# Altium PCB Spektrop2_Sensor_Board_CMV4000_V1.PcbDoc (part 2 of 2)
Units mm, origin at the board's own origin, x right, y up, seen from the top; angles counter-clockwise.
Board outline 41.99 x 42.01 mm, 8 copper layers (TOP, L1-GND, L2, L3-1V8, L4-PWR, L5, L6-GND, BTM), stack 1.588 mm thick; 73 components, 88 nets, 406 pads, 294 vias.
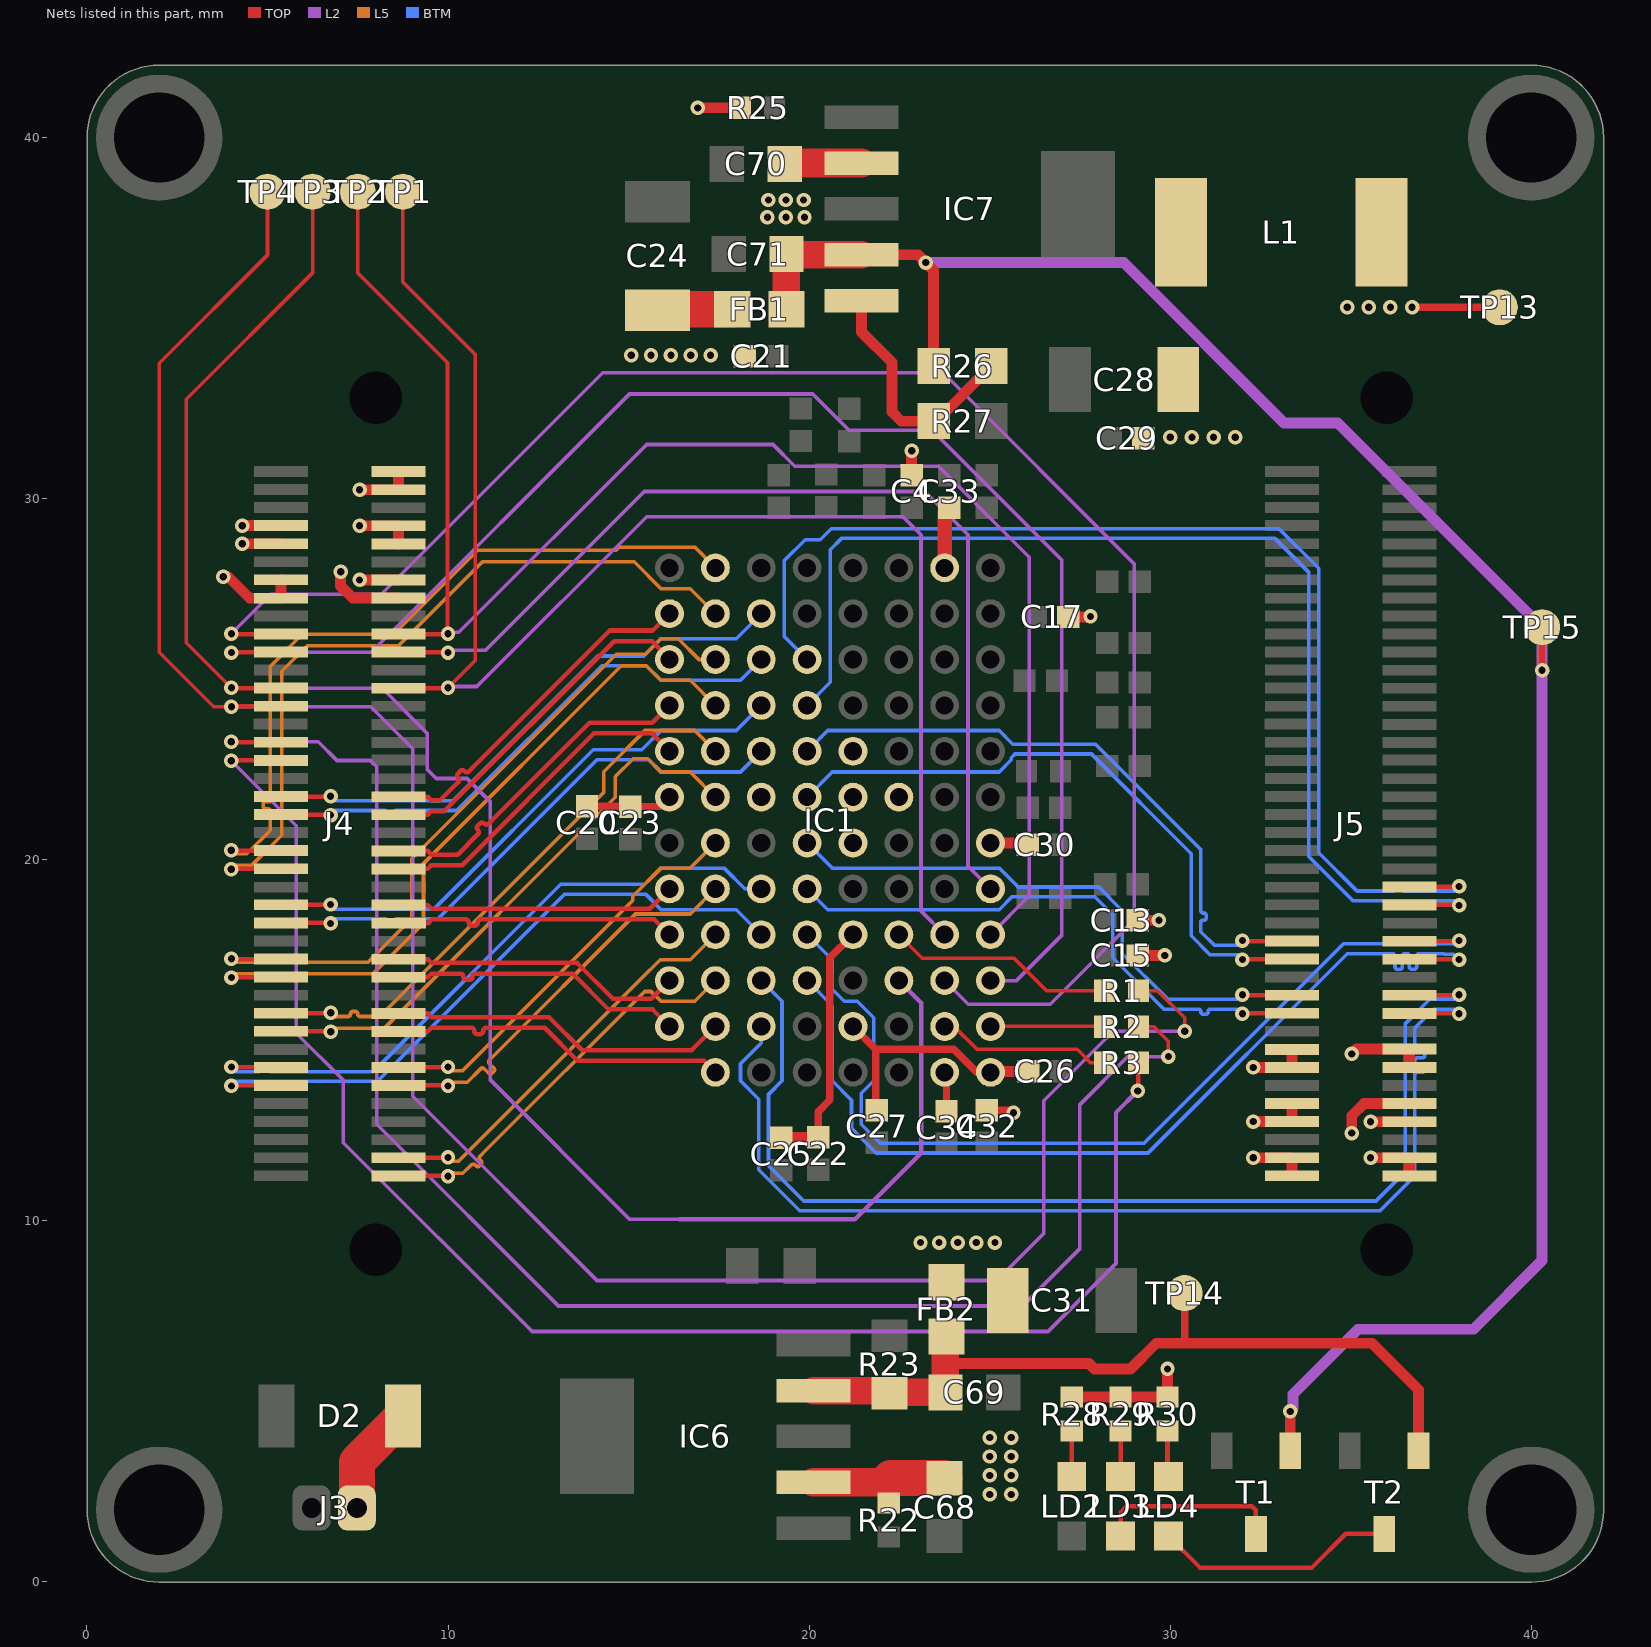
[diagram p8: the nets of this part, all layers, seen from the top]

## Via types
v1: diameter 0.4, hole 0.2, TOP to BTM, tented both sides, 294 vias

## Nets (pads, with @x,y where several pads share a name; then routed paths per layer and width w, separated by ;. In a path a pad name is that pad's centre, name@x,y a point inside that pad or via, vN(x,y) a via of type N, cw(c..) or ccw(c..) an arc to the next point about the centre after c; other vN are vias at no path point) (continued)
NetIC7_5: IC7.5 R26.1 R27.2 | length 6.9
  TOP w0.3: IC7.5@21.45,35.485 21.45,34.618 22.3,33.768 22.3,32.4 22.554,32.146 R27.2@23.447,32.146 23.522,32.146 R26.1@25.047,33.671
NetLD2_2: LD2.2 R28.1 | length 1.3
  TOP w0.125: LD2.2@27.275,2.925 R28.1@27.275,4.18
NetLD3_1: LD3.1 T1.3 | length 5.2
  TOP w0.125: LD3.1@28.625,1.275 28.625,1.925 28.8,2.1 32.259,2.1 32.375,1.984 T1.3@32.375,1.334
NetLD3_2: LD3.2 R29.1 | length 1.3
  TOP w0.125: LD3.2@28.625,2.925 LD3.2@28.625,2.925 R29.1@28.624,4.18
NetLD4_1: LD4.1 T2.3 | length 6.7
  TOP w0.125: LD4.1@29.95,1.275 30.825,0.4 33.925,0.4 34.859,1.334 T2.3@35.925,1.334
NetLD4_2: LD4.2 R30.1 | length 1.3
  TOP w0.125: R30.1@29.925,4.18 29.925,2.95 LD4.2@29.95,2.925
OUT1_N: IC1.C2 J5.61 | length 31.3
  TOP w0.125: J5.61@36.626,15.75 37.987,15.75 v1(37.999,15.737)
  BTM w0.1: IC1.C2@18.675,15.385 18.675,14.928 18.1,14.353 18.1,13.877 18.605,13.372 18.605,11.413 19.738,10.28 35.812,10.28 36.775,11.243 36.775,13.85 36.775,13.915 36.775,14.045 cw(c36.845,14.045) 36.845,14.115 36.979,14.115 ccw(c36.979,14.185) 37.049,14.185 37.049,14.245 ccw(c36.979,14.245) 36.979,14.315 36.845,14.315 cw(c36.845,14.385) 36.775,14.385 36.775,14.445 cw(c36.845,14.445) 36.845,14.515 36.979,14.515 ccw(c36.979,14.585) 37.049,14.585 37.049,14.645 ccw(c36.979,14.645) 36.979,14.715 36.845,14.715 cw(c36.845,14.785) 36.775,14.785 36.775,14.915 36.775,15.115 36.775,15.215 36.775,15.34 37.3,15.865 37.872,15.865 v1(37.999,15.737)
OUT1_P: IC1.C3 J5.59 | length 31.2
  TOP w0.125: J5.59@36.626,16.25 37.987,16.25 v1(37.999,16.262)
  BTM w0.1: IC1.C3@18.675,16.655 19.25,16.08 19.25,13.877 18.875,13.502 18.875,11.525 19.85,10.55 35.7,10.55 36.505,11.355 36.505,15.452 37.188,16.135 37.872,16.135 v1(37.999,16.262)
OUT2_N: IC1.A2 J4.57 | length 8.4
  TOP w0.125: J4.57@8.626,16.746 9.438,16.746 9.541,16.849 10.05,16.849 10.175,16.849 10.338,16.849 cw(c10.338,16.762) 10.425,16.762 ccw(c10.513,16.762) 10.513,16.674 10.588,16.674 ccw(c10.588,16.762) 10.675,16.762 cw(c10.763,16.762) 10.763,16.849 10.85,16.849 13.451,16.849 14.445,15.855 15.665,15.855 IC1.A2@16.135,15.385
OUT2_P: IC1.A3 J4.55 | length 8.2
  TOP w0.125: J4.55@8.626,17.247 9.438,17.247 9.541,17.144 13.573,17.144 14.567,16.15 15.63,16.15 IC1.A3@16.135,16.655
OUT3_N: IC1.D3 J5.55 | length 26.9
  TOP w0.125: J5.55@36.626,17.25 37.987,17.25 v1(37.999,17.237)
  BTM w0.1: IC1.D3@19.945,16.655 20.64,15.96 20.64,13.877 21.175,13.342 21.175,12.568 21.863,11.88 29.387,11.88 34.907,17.4 35.925,17.4 36.025,17.4 36.155,17.4 cw(c36.155,17.33) 36.225,17.33 36.225,17.038 ccw(c36.295,17.038) 36.295,16.968 36.355,16.968 ccw(c36.355,17.038) 36.425,17.038 36.425,17.33 cw(c36.495,17.33) 36.495,17.4 36.555,17.4 cw(c36.555,17.33) 36.625,17.33 36.625,17.038 ccw(c36.695,17.038) 36.695,16.968 36.755,16.968 ccw(c36.755,17.038) 36.825,17.038 36.825,17.33 cw(c36.895,17.33) 36.895,17.4 37.025,17.4 37.1,17.4 37.575,17.4 37.588,17.387 37.849,17.387 v1(37.999,17.237)
OUT3_P: IC1.D4 J5.53 | length 26.8
  TOP w0.125: J5.53@36.626,17.75 37.987,17.75 v1(37.999,17.762)
  BTM w0.1: IC1.D4@19.945,17.925 20.64,17.23 20.64,16.417 20.977,16.08 21.333,16.08 21.79,15.623 21.79,13.877 21.445,13.532 21.445,12.68 21.975,12.15 29.275,12.15 34.795,17.67 37.907,17.67 v1(37.999,17.762)
OUT4_N: IC1.B3 J4.79 | length 11.5
  TOP w0.125: J4.79@8.626,11.246 9.988,11.246 v1(10,11.234)
  L5 w0.1: v1(10,11.234) 10.103,11.337 10.167,11.337 10.188,11.316 10.412,11.316 10.625,11.529 10.646,11.55 cw(c10.696,11.501) 10.745,11.55 10.769,11.526 ccw(c10.819,11.576) 10.868,11.526 10.91,11.569 ccw(c10.861,11.618) 10.91,11.668 10.887,11.692 cw(c10.936,11.741) 10.887,11.791 11.036,11.939 15.45,16.354 15.623,16.354 15.897,16.08 16.83,16.08 IC1.B3@17.405,16.655
OUT4_P: IC1.B4 J4.77 | length 11.4
  TOP w0.125: J4.77@8.626,11.747 9.988,11.747 v1(10,11.759)
  L5 w0.1: v1(10,11.759) 10.103,11.657 10.3,11.657 15.332,16.688 15.874,17.23 16.71,17.23 IC1.B4@17.405,17.925
OUT5_N: IC1.A4 J4.51 | length 7.9
  TOP w0.125: J4.51@8.638,18.244 9.451,18.244 9.554,18.348 10.2,18.348 10.325,18.348 10.488,18.348 cw(c10.488,18.26) 10.575,18.26 ccw(c10.663,18.26) 10.663,18.173 10.738,18.173 ccw(c10.738,18.26) 10.825,18.26 cw(c10.913,18.26) 10.913,18.348 10.95,18.348 15.712,18.348 IC1.A4@16.135,17.925
OUT5_P: IC1.A5 J4.49 | length 7.8
  TOP w0.125: J4.49@8.626,18.746 9.438,18.746 9.542,18.643 15.582,18.643 IC1.A5@16.135,19.195
OUT6_N: IC1.C4 J4.70 | length 18.7
  TOP w0.125: v1(4.001,13.737) 4.013,13.75 J4.70@5.374,13.75
  BTM w0.1: v1(4.001,13.737) 4.128,13.865 8.047,13.865 13.232,19.05 15.467,19.05 15.897,18.62 17.98,18.62 IC1.C4@18.675,17.925
OUT6_P: IC1.C5 J4.68 | length 18.8
  TOP w0.125: v1(4.001,14.262) 4.013,14.25 J4.68@5.374,14.25
  BTM w0.1: v1(4.001,14.262) 4.128,14.135 4.725,14.135 4.755,14.135 ccw(c4.755,14.205) 4.825,14.205 cw(c4.895,14.205) 4.895,14.275 4.955,14.275 cw(c4.955,14.205) 5.025,14.205 ccw(c5.095,14.205) 5.095,14.135 5.675,14.135 7.935,14.135 13.12,19.32 15.447,19.32 15.897,19.77 17.643,19.77 18.218,19.195 IC1.C5@18.675,19.195
OUT7_N: IC1.B5 J4.69 | length 11.5
  TOP w0.125: J4.69@8.626,13.75 9.987,13.75 v1(9.999,13.737)
  L5 w0.1: v1(9.999,13.737) 10.102,13.84 10.533,13.84 10.884,14.191 10.905,14.212 cw(c10.955,14.163) 11.004,14.212 11.126,14.091 ccw(c11.175,14.14) 11.225,14.091 11.267,14.133 ccw(c11.218,14.183) 11.267,14.232 11.145,14.354 cw(c11.195,14.403) 11.145,14.453 11.159,14.466 15.193,18.5 16.71,18.5 IC1.B5@17.405,19.195
OUT7_P: IC1.B6 J4.67 | length 11.5
  TOP w0.125: J4.67@8.626,14.25 9.987,14.25 v1(9.999,14.262)
  L5 w0.1: v1(9.999,14.262) 10.102,14.16 10.4,14.16 15.115,18.875 15.115,18.988 15.897,19.77 16.71,19.77 IC1.B6@17.405,20.465
OUT8_N: IC1.D5 J5.62 | length 16
  TOP w0.125: v1(32.001,15.737) 32.013,15.75 J5.62@33.374,15.75
  BTM w0.1: IC1.D5@19.945,19.195 20.52,18.62 25.263,18.62 25.618,18.975 27.91,18.975 28.405,18.48 28.405,17.288 29.828,15.865 30.55,15.865 30.65,15.865 30.78,15.865 cw(c30.78,15.795) 30.85,15.795 30.85,15.793 ccw(c30.92,15.793) 30.92,15.723 30.98,15.723 ccw(c30.98,15.793) 31.05,15.793 31.05,15.795 cw(c31.12,15.795) 31.12,15.865 31.425,15.865 31.873,15.865 v1(32.001,15.737)
OUT8_P: IC1.D6 J5.60 | length 16
  TOP w0.125: v1(32.001,16.262) 32.013,16.25 J5.60@33.374,16.25
  BTM w0.1: IC1.D6@19.945,20.465 20.64,19.77 25.263,19.77 25.788,19.245 28.022,19.245 28.675,18.592 28.675,17.4 29.94,16.135 31.873,16.135 v1(32.001,16.262)
OUT9_N: IC1.D7 J5.56 | length 17.7
  TOP w0.125: v1(32,17.237) 32.012,17.25 J5.56@33.374,17.25
  BTM w0.1: IC1.D7@19.945,21.735 20.64,22.43 25.263,22.43 25.6,22.767 25.6,22.83 25.7,22.93 27.82,22.93 30.58,20.17 30.58,17.898 31.113,17.365 31.872,17.365 v1(32,17.237)
OUT9_P: IC1.D8 J5.54 | length 17.7
  TOP w0.125: v1(32,17.762) 32.012,17.75 J5.54@33.374,17.75
  BTM w0.1: IC1.D8@19.945,23.005 20.52,23.58 25.263,23.58 25.643,23.2 27.932,23.2 30.845,20.287 30.85,20.282 30.85,18.625 30.85,18.595 ccw(c30.92,18.595) 30.92,18.525 30.927,18.525 cw(c30.927,18.455) 30.997,18.455 30.997,18.395 cw(c30.927,18.395) 30.927,18.325 30.9,18.325 ccw(c30.9,18.275) 30.85,18.275 30.85,18.01 31.225,17.635 31.872,17.635 v1(32,17.762)
OUT10_N: IC1.B7 J4.64 | length 15.9
  TOP w0.125: J4.64@5.376,15.25 6.738,15.25 v1(6.75,15.237)
  L5 w0.1: v1(6.75,15.237) 6.853,15.34 8.242,15.34 14.633,21.73 14.633,22.305 15.126,22.799 15.528,22.799 15.897,22.43 16.71,22.43 IC1.B7@17.405,21.735
OUT10_P: IC1.B8 J4.62 | length 16.1
  TOP w0.125: J4.62@5.376,15.75 6.738,15.75 v1(6.75,15.762)
  L5 w0.1: v1(6.75,15.762) 6.853,15.66 7.2,15.66 7.23,15.66 ccw(c7.23,15.73) 7.3,15.73 cw(c7.37,15.73) 7.37,15.8 7.43,15.8 cw(c7.43,15.73) 7.5,15.73 ccw(c7.57,15.73) 7.57,15.66 7.6,15.66 8.11,15.66 14.313,21.863 14.313,22.438 15.455,23.58 16.83,23.58 IC1.B8@17.405,23.005
OUT11_N: IC1.C8 J4.52 | length 15.7
  TOP w0.125: J4.52@5.375,18.25 6.737,18.25 v1(6.749,18.238)
  BTM w0.1: v1(6.749,18.238) 6.877,18.365 8.025,18.365 8.125,18.365 8.255,18.365 cw(c8.255,18.295) 8.325,18.295 8.325,18.289 ccw(c8.395,18.289) 8.395,18.219 8.455,18.219 ccw(c8.455,18.289) 8.525,18.289 8.525,18.295 cw(c8.595,18.295) 8.595,18.365 8.75,18.365 9.722,18.365 14.132,22.775 15.552,22.775 15.897,22.43 18.1,22.43 IC1.C8@18.675,23.005
OUT11_P: IC1.C9 J4.50 | length 15.7
  TOP w0.125: J4.50@5.375,18.75 6.737,18.75 v1(6.749,18.763)
  BTM w0.1: v1(6.749,18.763) 6.877,18.635 9.61,18.635 14.02,23.045 15.362,23.045 15.897,23.58 17.98,23.58 IC1.C9@18.675,24.275
OUT12_N: IC1.A8 J4.45 | length 9.3
  TOP w0.125: J4.45@8.626,19.747 9.438,19.747 9.541,19.849 10.391,19.849 14.042,23.5 15.64,23.5 IC1.A8@16.135,23.005
OUT12_P: IC1.A9 J4.43 | length 9.5
  TOP w0.125: J4.43@8.626,20.247 9.438,20.247 9.541,20.144 10.269,20.144 10.8,20.675 10.827,20.702 ccw(c10.765,20.763) 10.827,20.825 cw(c10.888,20.887) 10.827,20.949 10.88,21.002 cw(c10.941,20.94) 11.003,21.002 ccw(c11.065,21.064) 11.127,21.002 11.212,21.087 13.92,23.795 15.655,23.795 IC1.A9@16.135,24.275
OUT13_N: IC1.B9 J4.58 | length 19.9
  TOP w0.125: v1(4.001,16.737) 4.013,16.75 J4.58@5.374,16.75
  L5 w0.1: v1(4.001,16.737) 4.103,16.84 7.917,16.84 9.32,18.242 9.32,19.9 14.795,25.375 15.492,25.375 15.897,24.97 16.71,24.97 IC1.B9@17.405,24.275
  L5 w0.125: v1(4.001,16.737) v1@4.001,16.827
OUT13_P: IC1.B10 J4.56 | length 20
  TOP w0.125: v1(4.001,17.262) 4.013,17.25 J4.56@5.374,17.25
  L5 w0.1: v1(4.001,17.262) 4.103,17.16 5.025,17.16 5.055,17.16 ccw(c5.055,17.23) 5.125,17.23 cw(c5.195,17.23) 5.195,17.3 5.255,17.3 cw(c5.255,17.23) 5.325,17.23 ccw(c5.395,17.23) 5.395,17.16 5.9,17.16 7.785,17.16 9,18.375 9,20.033 14.662,25.695 15.472,25.695 15.897,26.12 16.373,26.12 16.948,25.545 IC1.B10@17.405,25.545
  L5 w0.125: v1@4.001,17.172 v1(4.001,17.262)
OUT14_N: IC1.D9 J5.49 | length 32.3
  TOP w0.125: J5.49@36.626,18.75 37.987,18.75 v1(37.999,18.737)
  BTM w0.1: IC1.D9@19.945,24.275 20.586,24.917 20.586,28.589 20.898,28.9 32.9,28.9 33.842,27.958 33.842,20.086 35.063,18.865 37.872,18.865 v1(37.999,18.737)
OUT14_P: IC1.D10 J5.47 | length 32.4
  TOP w0.125: J5.47@36.626,19.25 37.987,19.25 v1(37.999,19.262)
  BTM w0.1: IC1.D10@19.945,25.545 19.316,26.174 19.316,28.291 19.891,28.866 20.309,28.866 20.613,29.17 33.012,29.17 34.112,28.07 34.112,20.198 35.175,19.135 36.125,19.135 36.155,19.135 ccw(c36.155,19.205) 36.225,19.205 cw(c36.295,19.205) 36.295,19.275 36.355,19.275 cw(c36.355,19.205) 36.425,19.205 ccw(c36.495,19.205) 36.495,19.135 36.95,19.135 37.872,19.135 v1(37.999,19.262)
OUT15_N: IC1.A10 J4.39 | length 9.7
  TOP w0.125: J4.39@8.626,21.247 9.438,21.247 9.54,21.349 9.897,21.349 14.603,26.055 15.65,26.055 16.135,25.57 IC1.A10@16.135,25.545
OUT15_P: IC1.A11 J4.37 | length 9.9
  TOP w0.125: J4.37@8.626,21.746 9.438,21.746 9.54,21.644 9.775,21.644 10.256,22.125 10.282,22.152 ccw(c10.221,22.213) 10.282,22.275 cw(c10.344,22.337) 10.282,22.399 10.336,22.452 cw(c10.397,22.39) 10.459,22.452 ccw(c10.521,22.514) 10.583,22.452 10.678,22.547 14.481,26.35 15.67,26.35 IC1.A11@16.135,26.815
OUT16_N: IC1.C10 J4.40 | length 15.6
  TOP w0.125: J4.40@5.375,21.25 6.737,21.25 v1(6.749,21.238)
  BTM w0.1: v1(6.749,21.238) 6.877,21.365 8,21.365 8.1,21.365 8.23,21.365 cw(c8.23,21.295) 8.3,21.295 ccw(c8.37,21.295) 8.37,21.225 8.43,21.225 ccw(c8.43,21.295) 8.5,21.295 cw(c8.57,21.295) 8.57,21.365 8.85,21.365 10.247,21.365 14.257,25.375 15.492,25.375 15.897,24.97 18.1,24.97 IC1.C10@18.675,25.545
OUT16_P: IC1.C11 J4.38 | length 15.5
  TOP w0.125: J4.38@5.375,21.75 6.737,21.75 v1(6.749,21.763)
  BTM w0.1: v1(6.749,21.763) 6.877,21.635 10.135,21.635 14.145,25.645 15.422,25.645 15.897,26.12 17.98,26.12 IC1.C11@18.675,26.815
OUTCLK_N: IC1.B11 J4.46 | length 21.6
  TOP w0.125: v1(4,19.741) 4.012,19.753 J4.46@5.374,19.754
  L5 w0.1: v1(4,19.741) 4.103,19.843 4.558,19.843 5.395,20.681 5.395,25.22 6.1,25.925 8.628,25.925 10.953,28.25 15.157,28.25 15.897,27.51 16.71,27.51 IC1.B11@17.405,26.815
OUTCLK_P: IC1.B12 J4.44 | length 21.6
  TOP w0.125: v1(4,20.266) 4.012,20.254 J4.44@5.374,20.254
  L5 w0.1: v1(4,20.266) 4.102,20.163 4.425,20.163 5.075,20.813 5.075,21.315 5.075,21.345 ccw(c5.005,21.345) 5.005,21.415 4.953,21.415 cw(c4.953,21.485) 4.883,21.485 4.883,21.545 cw(c4.953,21.545) 4.953,21.615 5.075,21.615 ccw(c5.075,21.685) 5.145,21.685 5.145,21.745 ccw(c5.075,21.745) 5.075,21.815 5.075,25.353 5.967,26.245 8.495,26.245 10.82,28.57 14.65,28.57 14.74,28.66 16.83,28.66 IC1.B12@17.405,28.085
OUTCTR_N: IC1.B1 J4.63 | length 9.5
  TOP w0.125: J4.63@8.626,15.246 9.438,15.246 9.541,15.349 10.35,15.349 10.475,15.349 10.638,15.349 cw(c10.638,15.261) 10.725,15.261 ccw(c10.813,15.261) 10.813,15.174 10.888,15.174 ccw(c10.888,15.261) 10.975,15.261 cw(c11.063,15.261) 11.063,15.349 11.515,15.349 12.676,15.349 13.595,14.43 17.09,14.43 IC1.B1@17.405,14.115
OUTCTR_P: IC1.B2 J4.61 | length 9.5
  TOP w0.125: J4.61@8.626,15.747 9.438,15.747 9.541,15.644 12.798,15.644 13.717,14.725 16.745,14.725 IC1.B2@17.405,15.385
P2V0: C71.1 FB1.1 IC7.4 R26.2 T1.1 TP15.1 | length 58.3
  TOP w0.2: v1(40.3,25.25) TP15.1@40.3,26.438
  TOP w0.3: IC7.4@21.45,36.755 23.013,36.755 v1(23.23,36.538) 23.447,36.321 R26.2@23.447,33.671 ; T1.1@33.325,3.634 v1(33.325,4.725)
  TOP w0.762: FB1.1@19.372,35.246 19.372,36.544 19.608,36.78 19.634,36.755 IC7.4@21.45,36.755
  L2 w0.3: v1(23.23,36.538) 28.712,36.538 33.15,32.1 34.638,32.1 40.3,26.438 v1(40.3,25.25) 40.3,8.9 38.4,7 35.2,7 33.4,5.2 33.4,4.8 v1(33.325,4.725)
P3V0: C69.1 FB2.1 IC6.4 R23.2 T2.1 TP14.1 | length 23
  TOP w0.2: 30.4,6.613 TP14.1@30.4,8
  TOP w0.3: C69.1@23.775,5.25 23.8,5.275 23.8,5.9 23.95,6.05 27.75,6.05 27.9,5.9 28.9,5.9 29.613,6.613 30.4,6.613 35.587,6.613 36.875,5.325 36.875,4.725 T2.1@36.875,3.634
  TOP w0.762: IC6.4@20.126,5.301 22.091,5.301 R23.2@22.206,5.187 ; R23.2@22.225,5.225 22.25,5.25 C69.1@23.775,5.25 23.775,6.775 FB2.1@23.8,6.8
P3V3: C68.2 C70.2 D2.1 IC6.2 IC7.2 J3.1 J4.1 J4.3 J4.7 J4.8 J4.9 J4.10 J4.13 J4.14 J4.15 J4.16 J5.65 J5.66 J5.67 J5.68 J5.71 J5.72 J5.73 J5.74 J5.77 J5.78 J5.79 J5.80 L1.1 R22.1 R25.1 R28.2 R29.2 R30.2 TP13.1 | length 38.5
  TOP w0.2: v1(36.7,35.3) TP13.1@39.125,35.3
  TOP w0.3: v1(3.776,27.84) 3.913,27.84 4.511,27.242 J4.16@5.374,27.242 J4.14@5.374,27.754 ; v1(4.299,28.754) 4.473,28.754 J4.10@5.374,28.754 ; v1(4.299,29.254) 4.473,29.254 J4.8@5.374,29.254 ; v1(7.027,27.978) 7.027,27.586 7.363,27.25 J4.15@8.626,27.25 ; v1(7.551,27.75) 7.725,27.75 J4.13@8.626,27.75 ; v1(7.551,29.25) 7.725,29.25 J4.7@8.626,29.25 J4.9@8.626,28.75 ; v1(7.551,30.25) 7.725,30.25 J4.3@8.626,30.25 J4.1@8.626,30.75 ; v1(16.916,40.823) 16.92,40.827 R25.1@18.106,40.827 ; R28.2@27.275,5.12 R29.2@28.624,5.12 R30.2@29.925,5.12 v1(29.925,5.9) ; v1(32.299,11.75) 32.473,11.75 J5.78@33.374,11.75 J5.80@33.374,11.25 ; v1(32.299,12.75) 32.473,12.75 J5.74@33.374,12.75 J5.72@33.374,13.25 ; v1(32.299,14.25) 32.473,14.25 J5.68@33.374,14.25 J5.66@33.374,14.75 ; v1(35.025,14.625) 35.158,14.758 J5.65@36.626,14.758 J5.67@36.626,14.246 ; v1(35.027,12.433) 35.027,12.911 35.363,13.246 J5.71@36.626,13.246 ; v1(35.551,11.747) 35.725,11.747 J5.77@36.626,11.747 J5.79@36.626,11.246 ; v1(35.551,12.746) 35.725,12.746 J5.73@36.626,12.746
  TOP w0.8: C70.2@19.322,39.271 19.346,39.295 IC7.2@21.45,39.295 ; IC6.2@20.126,2.761 22.041,2.761 22.206,2.926
  TOP w1: J3.1@7.475,2.05 7.475,3.325 D2.1@8.75,4.6 ; 22.257,2.875 C68.2@23.75,2.875
  other v1: 25,2.425 25.6,2.425 25,2.95 25.6,2.95 25,3.475 25.6,3.475 25,4 25.6,4 34.9,35.3 35.5,35.3 36.1,35.3 18.847,37.796 19.359,37.796 19.872,37.796 18.872,38.271 19.359,38.271 19.847,38.271
SPI_CLK: IC1.H4 J4.19 TP2.1 | length 45.1
  TOP w0.1: TP2.1@7.5,38.5 7.5,36.25 9.987,33.763 v1@9.987,26.25
  TOP w0.125: J4.19@8.626,26.25 9.987,26.25 v1(9.999,26.262)
  L2 w0.1: v1(9.999,26.262) 10.037,26.3 10.3,26.3 15.5,31.5 19,31.5 19.6,30.9 23.582,30.9 26.1,28.382 26.1,19 IC1.H4@25.025,17.925
SPI_EN: IC1.G4 J4.25 TP1.1 | length 42.9
  TOP w0.1: TP1.1@8.75,38.5 8.75,36 10.75,34 10.75,25.513 v1(9.999,24.762)
  TOP w0.125: J4.25@8.626,24.75 9.987,24.75 v1(9.999,24.762)
  L2 w0.1: v1(9.999,24.762) 10.037,24.8 10.8,24.8 15.5,29.5 22.6,29.5 23.1,29 23.1,18.58 IC1.G4@23.755,17.925
SPI_IN: IC1.F3 J4.26 TP3.1 | length 53.2
  TOP w0.1: v1(4.001,24.762) 2.75,26.013 2.75,32.75 6.25,36.25 TP3.1@6.25,38.5
  TOP w0.125: v1(4.001,24.762) 4.013,24.75 J4.26@5.375,24.75
  L2 w0.1: v1(4.001,24.762) 4.013,24.75 8.175,24.75 9.425,23.5 9.425,22.5 9.675,22.25 10.525,22.25 11.175,21.6 11.175,13.9 15.035,10.04 16.4,10.04
  L2 w0.125: 16.4,10.04 21.265,10.04 23.1,11.875 23.1,16.04 IC1.F3@22.485,16.655
SPI_OUT: J4.28 R1.1 TP4.1 | length 63.7
  TOP w0.1: v1(4.001,24.237) 3.513,24.237 2,25.75 2,33.75 5,36.75 TP4.1@5,38.5 ; R1.1@29.118,16.55 29.293,16.375 29.65,16.375 30.4,15.625 v1(30.4,15.25)
  TOP w0.125: v1(4.001,24.237) 4.013,24.25 J4.28@5.375,24.25
  L2 w0.1: v1(4.001,24.237) 7.863,24.237 9.025,23.075 9.025,13.45 14.125,8.35 25.2,8.35 26.5,9.65 26.5,13.33 28.42,15.25 v1(30.4,15.25)
SPI_OUT_R: IC1.F4 R1.2 | length 6.4
  TOP w0.1: IC1.F4@22.485,17.925 23.135,17.275 25.675,17.275 26.575,16.375 28.003,16.375 R1.2@28.178,16.55
SYS_RES_N: IC1.H5 J4.21 | length 28.5
  TOP w0.125: J4.21@8.626,25.75 9.987,25.75 v1(9.999,25.737)
  L2 w0.1: v1(9.999,25.737) 10.062,25.8 11.037,25.8 15.437,30.2 23.2,30.2 24.4,29 24.4,19.82 IC1.H5@25.025,19.195 IC1.H5@25.286,19.195
T_dig1: J4.32 R2.1 | length 46.3
  TOP w0.1: R2.1@29.088,15.55 29.263,15.375 29.55,15.375 29.95,14.975 v1(29.95,14.55)
  TOP w0.125: v1(4,23.266) 4.012,23.254 J4.32@5.374,23.254
  L2 w0.1: v1(4,23.266) 6.409,23.266 6.925,22.75 7.85,22.75 8.025,22.575 8.025,12.679 13.061,7.643 25.907,7.643 27.5,9.236 27.5,13.225 28.825,14.55 v1(29.95,14.55)
T_dig1_R: IC1.H2 R2.2 | length 3.2
  TOP w0.1: IC1.H2@25.025,15.385 28.013,15.385 R2.2@28.178,15.55
T_dig2: J4.34 R3.1 | length 43.4
  TOP w0.125: v1(4,22.741) 4.012,22.753 J4.34@5.374,22.754 ; v1(29.1,13.6) 29.118,13.618 R3.1@29.118,14.375
  L2 w0.1: v1(4,22.741) 5.8,20.941 5.8,15.2 7.1,13.9 7.1,12.167 12.331,6.936 26.614,6.936 28.5,8.822 28.5,13
  L2 w0.125: 28.5,13 v1(29.1,13.6)
T_dig2_R: IC1.G2 R3.2 | length 4.9
  TOP w0.1: IC1.G2@23.755,15.385 24.015,15.385 24.65,14.75 27.425,14.75 27.8,14.375 28.003,14.375 R3.2@28.178,14.55
T_Exp1: IC1.H3 J4.22 | length 42.1
  TOP w0.125: v1(4.001,25.737) 4.013,25.75 J4.22@5.375,25.75
  L2 w0.1: v1(4.001,25.737) 4.013,25.75 7.875,25.75 15.025,32.9 20.1,32.9 21.1,31.9 23.4,31.9 26.991,28.309 26.991,17.902 25.745,16.655 IC1.H3@25.025,16.655
T_Exp2: IC1.G3 J4.20 | length 47.9
  TOP w0.125: v1(4.001,26.262) 4.013,26.25 J4.20@5.374,26.25
  L2 w0.1: v1(4.001,26.262) 5.088,27.35 8.15,27.35 14.286,33.486 23.714,33.486 29.007,28.193 29.007,18.332 26.675,16 24.41,16 IC1.G3@23.755,16.655
VDD20: C20.1 C21.1 C22.1 C23.1 C24.2 C25.2 FB1.2 IC1.A7 IC1.C7 IC1.E4 IC1.E7 IC1.E8 | length 11.5
  TOP w0.2: C20.1@13.849,21.481 15.036,21.481 C23.1@15.043,21.474 15.874,21.474 IC1.A7@16.135,21.735
  TOP w0.203: C22.1@20.25,12.312 20.25,13.023 20.574,13.347 20.574,17.284 IC1.E4@21.215,17.925
  TOP w0.3: C25.2@19.225,12.3 19.237,12.312 C22.1@20.25,12.312
  TOP w1: C24.2@15.797,35.221 15.822,35.246 FB1.2@17.872,35.246
  other v1: 15.072,33.971 15.622,33.971 16.172,33.971 16.722,33.971 17.272,33.971
VDD33: C4.1 C13.1 C15.1 C17.1 C26.1 C27.1 C28.2 C29.2 C30.2 IC1.E2 IC1.F7 IC1.H1 IC1.H6 L1.2 | length 10.8
  TOP w0.203: IC1.E2@21.215,15.385 21.85,14.75 ; C27.1@21.875,13.067 21.85,13.092 21.85,14.75 ; IC1.H1@25.025,14.115 24.644,14.115 24.009,14.75 21.85,14.75
  TOP w0.3: IC1.H6@25.025,20.465 26.012,20.465 C30.2@26.056,20.421 ; C13.1@29.1,18.325 v1(29.686,18.325)
  TOP w0.305: C4.1@22.841,30.65 v1(22.841,31.325) ; IC1.H1@25.025,14.115 25.05,14.141 C26.1@26.074,14.141 ; C17.1@27.175,26.725 27.78,26.725 v1(27.794,26.739) ; C15.1@29.1,17.35 v1(29.847,17.351)
  other v1: 30,31.7 30.6,31.7 31.2,31.7 31.8,31.7
VDDPIX: C31.2 C32.2 C33.2 C34.2 FB2.2 IC1.E6 IC1.G1 IC1.G12 | length 3.4
  TOP w0.203: IC1.G1@23.755,14.115 23.806,14.064 C34.2@23.806,13.034 ; C32.2@24.923,13.067 25.591,13.067 v1(25.66,12.998)
  TOP w0.4: IC1.G12@23.755,28.085 C33.2@23.755,29.63
  other v1: 23.085,9.4 23.6,9.4 24.115,9.4 24.631,9.4 25.146,9.4
pads on no net: IC1.F11 IC1.G7 IC1.H12 J4.2 J4.4 J4.6 J4.81 J4.82 J5.1 J5.2 J5.3 J5.4 J5.7 J5.8 J5.9 J5.10 J5.13 J5.14 J5.16 J5.19 J5.20 J5.21 J5.22 J5.25 J5.26 J5.27 J5.28 J5.31 J5.32 J5.33 J5.34 J5.37 J5.38 J5.41 J5.42 J5.43 J5.44 J5.48 J5.50 J5.81 J5.82

## Polygon pours and split planes (outlines as drawn)
P3V3 on TOP "TOP_P3V3" (solid, pour order 17): 21.3,4.45 21.3,2.05 26,2.05 26,4.45
VDDPIX on TOP "TOP_VDDPIX" (solid, pour order 33): 26.501,10 26.501,6.6 22.7,6.6 22.7,10
P3V3 on TOP "TOP_P3V3" (solid, pour order 31): 34.2,39.6 37.6,39.6 37.6,35 34.2,35
VDD33 on TOP "TOP_P3V3_L" (solid, pour order 29): 28.925,39.625 28.925,31.425 32.025,31.425 32.025,39.625
GND on TOP "TOP_GND" (solid, pour order 27): 25.375,41.325 25.375,34.675 28.875,34.675 28.825,34.725 28.825,41.325
VDD20 on TOP "TOP_VDD20" (solid, pour order 25): 14.447,35.871 18.622,35.871 18.622,33.421 14.447,33.421
P3V3 on TOP "TOP_P3V3" (solid, pour order 23): 18.522,40.021 18.522,38.496 18.522,37.571 20.072,37.571 20.072,40.021
GND on TOP "TOP_GND" (solid, pour order 21): 15.25,6.2 15.25,2.025 11.8,2.025 11.8,6.2
VDD20 on L3-1V8 "Top Layer-No Net" (solid, pour order 13): 20.707,12.558 12.984,12.558 12.984,36.808 20.51,36.808 26.45,36.808 26.45,12.558
GND on L3-1V8 "L3_GND" (solid, pour order 35): 0.2,41.5 0.2,-0.004 41.5,-0.004 41.5,41.5
GND on L1-GND (split plane): 40.167,41.49 40.332,41.462 40.493,41.415 40.647,41.351 40.794,41.27 40.93,41.174 41.055,41.062 41.166,40.937 41.263,40.801 41.344,40.655 41.408,40.5 41.454,40.339 41.482,40.174 41.491,40.022 41.49,40.008 41.49,40 41.49,2 41.49,1.975 41.491,1.964 41.482,1.819 41.455,1.656 41.409,1.496 41.345,1.342 41.265,1.197 41.169,1.062 41.058,0.938 40.934,0.827 40.799,0.731 40.653,0.651 40.5,0.587 40.34,0.541 40.176,0.513 40.018,0.504 40.003,0.506 40,0.506 2,0.506 1.986,0.505 1.836,0.513 1.671,0.541 1.511,0.587 1.356,0.651 1.21,0.732 1.074,0.829 0.95,0.94 0.839,1.064 0.742,1.2 0.661,1.346 0.597,1.501 0.551,1.661 0.523,1.826 0.515,1.979 0.516,1.994 0.516,40.006 0.516,40.007 0.514,40.022 0.523,40.176 0.551,40.341 0.597,40.501 0.661,40.656 0.742,40.802 0.839,40.938 0.95,41.063 1.075,41.174 1.211,41.271 1.357,41.352 1.512,41.416 1.672,41.462 1.837,41.49 1.987,41.498 2,41.497 40,41.497 40.015,41.498
VDD33 on L4-PWR (split plane): 31.936,31.974 31.936,27.1 31.936,18.4 31.936,11.826 30.574,10.464 27.764,10.464 27.764,12.6 27.759,12.624 27.745,12.645 26.845,13.545 26.824,13.559 26.8,13.564 24.826,13.564 24.464,13.926 24.464,17.9 24.459,17.924 24.445,17.945 21.964,20.426 21.964,27.174 22.126,27.336 24.1,27.336 24.124,27.341 24.145,27.355 24.445,27.655 24.459,27.676 24.464,27.7 24.464,29.1 24.464,30.2 24.459,30.224 24.445,30.245 24.424,30.259 24.4,30.264 19.954,30.264 21.926,32.236 31.674,32.236
VDDPIX on L4-PWR (split plane): 24.336,29.1 24.336,29 24.336,27.726 24.074,27.464 22.1,27.464 22.076,27.459 22.055,27.445 21.855,27.245 21.841,27.224 21.836,27.2 21.836,20.4 21.841,20.376 21.855,20.355 24.336,17.874 24.336,13.9 24.341,13.876 24.355,13.855 24.755,13.455 24.776,13.441 24.8,13.436 26.774,13.436 27.636,12.574 27.636,9.064 21.526,9.064 19.164,11.426 19.164,29.474 19.826,30.136 24.336,30.136
P3V3 on L4-PWR (split plane): 40.167,41.49 40.332,41.462 40.493,41.415 40.647,41.351 40.794,41.27 40.93,41.174 41.055,41.062 41.166,40.937 41.263,40.801 41.344,40.655 41.408,40.5 41.454,40.339 41.482,40.174 41.491,40.022 41.49,40.008 41.49,40 41.49,2 41.49,1.975 41.491,1.964 41.482,1.819 41.455,1.656 41.409,1.496 41.345,1.342 41.265,1.197 41.169,1.062 41.058,0.938 40.934,0.827 40.799,0.731 40.653,0.651 40.5,0.587 40.34,0.541 40.176,0.513 40.018,0.504 40.003,0.506 40,0.506 2,0.506 1.986,0.505 1.836,0.513 1.671,0.541 1.511,0.587 1.356,0.651 1.21,0.732 1.074,0.829 0.95,0.94 0.839,1.064 0.742,1.2 0.661,1.346 0.597,1.501 0.551,1.661 0.523,1.826 0.515,1.979 0.516,1.994 0.516,40.006 0.516,40.007 0.514,40.022 0.523,40.176 0.551,40.341 0.597,40.501 0.661,40.656 0.742,40.802 0.839,40.938 0.95,41.063 1.075,41.174 1.211,41.271 1.357,41.352 1.512,41.416 1.672,41.462 1.837,41.49 1.987,41.498 2,41.497 40,41.497 40.015,41.498
GND on L6-GND (split plane): 40.167,41.49 40.332,41.462 40.493,41.415 40.647,41.351 40.794,41.27 40.93,41.174 41.055,41.062 41.166,40.937 41.263,40.801 41.344,40.655 41.408,40.5 41.454,40.339 41.482,40.174 41.491,40.022 41.49,40.008 41.49,40 41.49,2 41.49,1.975 41.491,1.964 41.482,1.819 41.455,1.656 41.409,1.496 41.345,1.342 41.265,1.197 41.169,1.062 41.058,0.938 40.934,0.827 40.799,0.731 40.653,0.651 40.5,0.587 40.34,0.541 40.176,0.513 40.018,0.504 40.003,0.506 40,0.506 2,0.506 1.986,0.505 1.836,0.513 1.671,0.541 1.511,0.587 1.356,0.651 1.21,0.732 1.074,0.829 0.95,0.94 0.839,1.064 0.742,1.2 0.661,1.346 0.597,1.501 0.551,1.661 0.523,1.826 0.515,1.979 0.516,1.994 0.516,40.006 0.516,40.007 0.514,40.022 0.523,40.176 0.551,40.341 0.597,40.501 0.661,40.656 0.742,40.802 0.839,40.938 0.95,41.063 1.075,41.174 1.211,41.271 1.357,41.352 1.512,41.416 1.672,41.462 1.837,41.49 1.987,41.498 2,41.497 40,41.497 40.015,41.498

## Other copper
TOP:
  text ".Layer_Name" at 62.895,-13.827 h1.91 r45
  text "1" at 62.736,-18.59 h2.54
L2:
  text ".Layer_Name" at 73.055,-13.827 h1.91 r45
  text "3" at 72.579,-18.59 h2.54
L3-1V8:
  text ".Layer_Name" at 78.43,-13.077 h1.91 r45
  text "4" at 77.659,-18.59 h2.54
L5:
  text ".Layer_Name" at 88.685,-13.227 h1.91 r45
  text "6" at 86.855,-18.64 h2.54
BTM:
  text ".Layer_Name" at 102.375,-9.45 h1.91 r45
  text "8" at 94.65,-18.65 h2.54
L1-GND (plane layer: these items are gaps in the copper):
  rectangle: 70.833,-19.86 97.2,-14.78
  rectangle: 60.673,-19.86 65.753,-14.78
  text ".Layer_Name" at 68.293,-13.51 h1.91 r45
  text "2" at 67.499,-18.59 h2.54
L4-PWR (plane layer: these items are gaps in the copper):
  lines w0.125: 24.4,29 24.4,30.2 19.8,30.2 ; 24.4,29.1 24.4,27.7 24.1,27.4 22.1,27.4 21.9,27.2 21.9,20.4 24.4,17.9 24.4,13.9 24.8,13.5 26.8,13.5 27.7,12.6 27.7,9 21.5,9 19.1,11.4 19.1,29.5 19.8,30.2 ; 27.764,10.4 30.6,10.4 32,11.8 32,18.4 32,27.1 32,32 31.7,32.3 26.5,32.3 21.9,32.3 19.8,30.2
  text ".Layer_Name" at 83.585,-12.952 h1.91 r45
  text "5" at 82.58,-18.59 h2.54
L6-GND (plane layer: these items are gaps in the copper):
  rectangle: 93.623,-19.76 97.115,-14.68
  rectangle: 60.673,-19.86 80.993,-14.78
  rectangle: 86.073,-19.86 89.565,-14.78
  text ".Layer_Name" at 93.765,-13.227 h1.91 r45
  text "7" at 90.98,-18.59 h2.54

## Silkscreen, mask and mechanical layers (free items; w line width, h text height)
Top Overlay:
  text "3V3" at 37.1,38.85 h2 r270
  text "2V0" at 9.85,38.1 h2
  text "MISO" at 5.316,34.829 h0.8 r90
  text "MOSI" at 6.632,34.829 h0.8 r90
  text "SCLK" at 7.947,34.829 h0.8 r90
  text "CS" at 9.263,34.829 h0.8 r90
  text "3V0" at 11.1,8.75 h2
  text "PWR" at 6.325,6.175 h0.5
  text "3V3" at 30.7,5.85 h1 r90
  text "3V0" at 31.575,5.85 h1 r90
  text "2V0" at 32.45,5.85 h1 r90
  text "TOP" at 1.225,4.55 h0.5
  text ".Layer_Name" at 57.815,-13.827 h1.91 r45
Bottom Overlay:
  lines w0.125: 0.4,21 10.8,21 ; 21,0.4 21,10.8 ; 21,31 21,41.4 ; 30.8,21 41.2,21
  lines w1: 10.325,12.511 10.457,12.511
  text "21/01/2018" at 11.3,32.304 h0.5 r270
  text "CMV4000" at 12.137,32.304 h0.5 r270
  text "SENSOR_BRD_V1" at 13.058,32.304 h0.5 r270
  text "SPEKTROP2" at 13.812,32.304 h0.5 r270
  text "OPTICAL" at 39.45,19 h2
  text "CENTER" at 39.45,17.2 h2
  text "LINE" at 39.45,15.4 h2
  text "BTM" at 2.65,4.575 h0.5
  text "LINE" at 15.05,2.6 h2 r270
  text "CENTER" at 16.85,2.6 h2 r270
  text "OPTICAL" at 18.65,2.6 h2 r270
  text ".Layer_Name" at 118.371,1.13 h1.91 r45
Top Paste:
  text ".Layer_Name" at 57.815,-13.827 h1.91 r45
Bottom Paste:
  text ".Layer_Name" at 116.943,-0.299 h1.91 r45
Top Solder:
  text ".Layer_Name" at 57.815,-13.827 h1.91 r45
Bottom Solder:
  text ".Layer_Name" at 116.941,-0.246 h1.91 r45
Mechanical 1:
  drawing of 505 lines, arcs and shapes, not listed
  text "Layer" at 63.689,82.29 h1.52
  text "Name" at 74.101,82.29 h1.52
  text "Material" at 97.717,82.29 h1.52
  text "Thickness" at 119.555,82.29 h1.52
  text "Constant" at 136.061,82.29 h1.52
  text "Board Layer Stack" at 150.535,82.29 h1.52
  text "1" at 63.689,79.242 h1.52
  text "Top Overlay" at 74.101,79.242 h1.52
  text "2" at 63.689,76.194 h1.52
  text "Top Solder" at 74.101,76.194 h1.52
  text "Solder Resist" at 97.717,76.194 h1.52
  text "0.010mm" at 119.555,76.194 h1.52
  text "3.5" at 136.061,76.194 h1.52
  text "3" at 63.689,73.146 h1.52
  text "TOP" at 74.101,73.146 h1.52
  text "Copper" at 97.717,73.146 h1.52
  text "0.053mm" at 119.555,73.146 h1.52
  text "4" at 63.689,70.098 h1.52
  text "Dielectric 1" at 74.101,70.098 h1.52
  text "FR-4" at 97.717,70.098 h1.52
  text "0.110mm" at 119.555,70.098 h1.52
  text "4.2" at 136.061,70.098 h1.52
  text "5" at 63.689,67.05 h1.52
  text "L1-GND" at 74.101,67.05 h1.52
  text "Copper" at 97.717,67.05 h1.52
  text "0.018mm" at 119.555,67.05 h1.52
  text "6" at 63.689,64.002 h1.52
  text "Dielectric 3" at 74.101,64.002 h1.52
  text "0.300mm" at 119.555,64.002 h1.52
  text "4.2" at 136.061,64.002 h1.52
  text "7" at 63.689,60.954 h1.52
  text "L2" at 74.101,60.954 h1.52
  text "Copper" at 97.717,60.954 h1.52
  text "0.018mm" at 119.555,60.954 h1.52
  text "8" at 63.689,57.906 h1.52
  text "Dielectric 6" at 74.101,57.906 h1.52
  text "0.110mm" at 119.555,57.906 h1.52
  text "4.2" at 136.061,57.906 h1.52
  text "9" at 63.689,54.858 h1.52
  text "L3-1V8" at 74.101,54.858 h1.52
  text "Copper" at 97.717,54.858 h1.52
  text "0.035mm" at 119.555,54.858 h1.52
  text "10" at 63.689,51.81 h1.52
  text "Dielectric 5" at 74.101,51.81 h1.52
  text "0.300mm" at 119.555,51.81 h1.52
  text "4.2" at 136.061,51.81 h1.52
  text "11" at 63.689,48.762 h1.52
  text "L4-PWR" at 74.101,48.762 h1.52
  text "Copper" at 97.717,48.762 h1.52
  text "0.035mm" at 119.555,48.762 h1.52
  text "12" at 63.689,45.714 h1.52
  text "Dielectric 4" at 74.101,45.714 h1.52
  text "0.110mm" at 119.555,45.714 h1.52
  text "4.2" at 136.061,45.714 h1.52
  text "13" at 63.689,42.666 h1.52
  text "L5" at 74.101,42.666 h1.52
  text "Copper" at 97.717,42.666 h1.52
  text "0.018mm" at 119.555,42.666 h1.52
  text "14" at 63.689,39.618 h1.52
  text "Dielectric 7" at 74.101,39.618 h1.52
  text "0.300mm" at 119.555,39.618 h1.52
  text "4.2" at 136.061,39.618 h1.52
  text "15" at 63.689,36.57 h1.52
  text "L6-GND" at 74.101,36.57 h1.52
  text "Copper" at 97.717,36.57 h1.52
  text "0.018mm" at 119.555,36.57 h1.52
  text "16" at 63.689,33.522 h1.52
  text "Dielectric 8" at 74.101,33.522 h1.52
  text "0.110mm" at 119.555,33.522 h1.52
  text "4.2" at 136.061,33.522 h1.52
  text "17" at 63.689,30.474 h1.52
  text "BTM" at 74.101,30.474 h1.52
  text "Copper" at 97.717,30.474 h1.52
  text "0.053mm" at 119.555,30.474 h1.52
  text "18" at 63.689,27.426 h1.52
  text "Bottom Solder" at 74.101,27.426 h1.52
  text "Solder Resist" at 97.717,27.426 h1.52
  text "0.010mm" at 119.555,27.426 h1.52
  text "3.5" at 136.061,27.426 h1.52
  text "19" at 63.689,24.378 h1.52
  text "Bottom Overlay" at 74.101,24.378 h1.52
Mechanical 5:
  lines w0.254: 34.544,-79.454 54.864,-79.454 ; 65.753,-19.86 65.753,-14.78 ; 70.833,-19.86 70.833,-14.78 ; 75.913,-19.86 75.913,-14.78 ; 80.993,-19.86 80.993,-14.78 ; 86.073,-19.86 86.073,-14.78 ; 89.45,-19.83 89.45,-14.75 ; 93.675,-19.775 93.675,-14.85 ; 60.673,-19.86 60.673,-14.78 97.15,-14.78 97.15,-19.86 60.673,-19.86
Title Block:
  lines w0.254: 61.993,10.12 130,10.12 ; 61.993,13.295 130,13.295 ; 61.993,16.47 130,16.47 ; 75.963,6.945 75.963,19.645 ; 61.993,6.945 130,6.945 130,19.645 61.993,19.645 61.993,6.945
  text "Number" at 63.263,17.105 h1.91
  text "SPEKTROP2_SENSOR_BRD_CMV4000_V1" at 77.233,17.105 h1.91
  text "Drawn By" at 63.263,13.93 h1.91
  text "P. ZDUNEK" at 77.233,13.93 h1.91
  text "DATE" at 63.263,10.755 h1.91
  text "01.2018" at 77.233,10.755 h1.91
  text "MOD." at 63.263,7.58 h1.91
  text "-" at 77.233,7.58 h1.91
  text "Print Date" at 63.263,4.405 h1.27
  text ".Print_Date" at 78.503,4.405 h1.27
  text ".Print_Time" at 91.203,4.405 h1.27
  text ".Print_Scale" at 63.263,1.865 h1.27
  text ".Print_Scale" at -20.066,-79.454 h1.27
Mechanical 8:
  lines w0.1: 163.894,240.536 164.894,240.536 ; 164.894,239.536 164.894,240.536 ; 164.894,241.536 164.894,240.536 ; 165.894,240.536 164.894,240.536
  lines w0.254: 60.673,-13.51 102.225,-13.51 ; 63.848,-13.51 71.468,-5.89 ; 68.928,-13.51 76.548,-5.89 ; 74.008,-13.51 81.628,-5.89 ; 79.088,-13.51 86.708,-5.89 ; 84.168,-13.51 91.788,-5.89 ; 89.248,-13.51 96.868,-5.89 ; 94.573,-13.435 102.193,-5.815
Board Outline:
  lines w0.125: 40,42.004 ccw(c40,42.004) 40,42.004 ; 40,42.004 cw(c40,40.004) 42,40.004 42,2.005 cw(c39.999,2.005) 39.999,0.004 2,0.004 cw(c2,2.004) 0,2.004 0,40.004 cw(c2,40.004) 2,42.004 40,42.004

## Dimensions
11.12,-3.809 to 20.956,-2.382 on Mechanical 1
1.54,11.682 to 0.225,21 on Mechanical 1
42.075,1.954 to 0.075,0.004 on Mechanical 1
2.025,42.004 to 0.075,0.004 on Mechanical 1
2,2.004 to 2,40.004 on Mechanical 1
2,2.004 to 40,2.004 on Mechanical 1

## Text inside footprints (layer, text, board x,y; h text height)
J4: Top Overlay "79" at 11.273,10.509 h1 r90; Top Overlay "1" at 11.273,30.608 h1 r90; Top Overlay "80" at 3.855,10.474 h1 r90; Top Overlay "2" at 3.931,30.379 h1 r90; Mechanical 14 "79" at 11.273,10.509 h1 r90; Mechanical 14 "1" at 11.273,30.608 h1 r90; Mechanical 14 "80" at 3.855,10.474 h1 r90; Mechanical 14 "2" at 3.931,30.379 h1 r90
J5: Top Overlay "79" at 39.273,10.509 h1 r90; Top Overlay "1" at 39.273,30.608 h1 r90; Top Overlay "80" at 31.855,10.474 h1 r90; Mechanical 14 "79" at 39.273,10.509 h1 r90; Mechanical 14 "1" at 39.273,30.608 h1 r90; Mechanical 14 "80" at 31.855,10.474 h1 r90; Mechanical 14 "2" at 31.931,30.379 h1 r90